# Altium PCB PCB1.PcbDoc
Units mm, origin at the board's own origin, x right, y up, seen from the top; angles counter-clockwise.
Board outline 149.86 x 64.64 mm, 2 copper layers (Top Layer, Bottom Layer); 117 components, 64 nets, 284 pads, 35 vias.
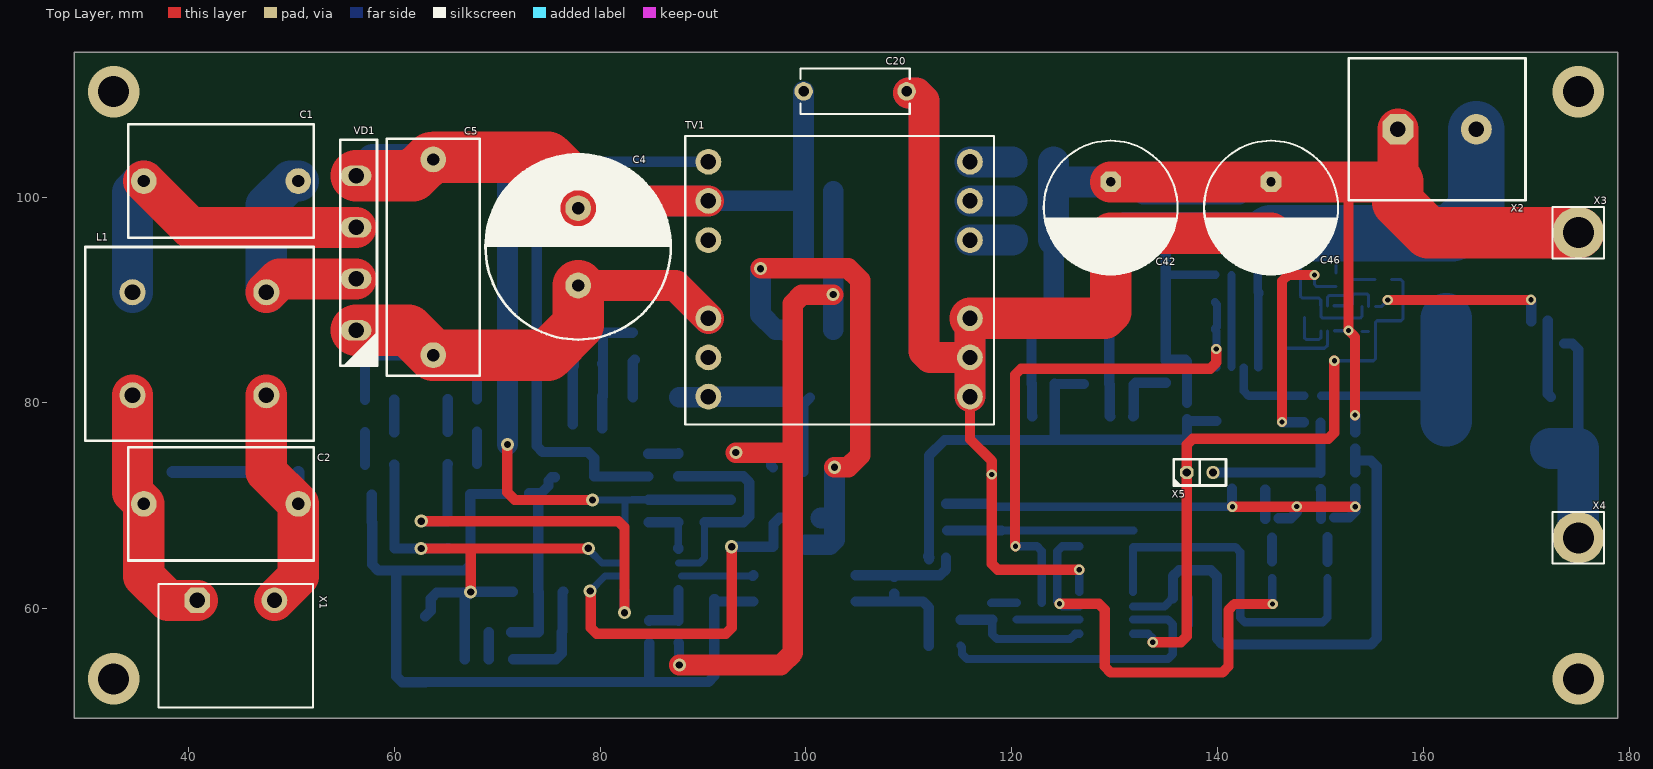
[diagram p0: Top Layer view]
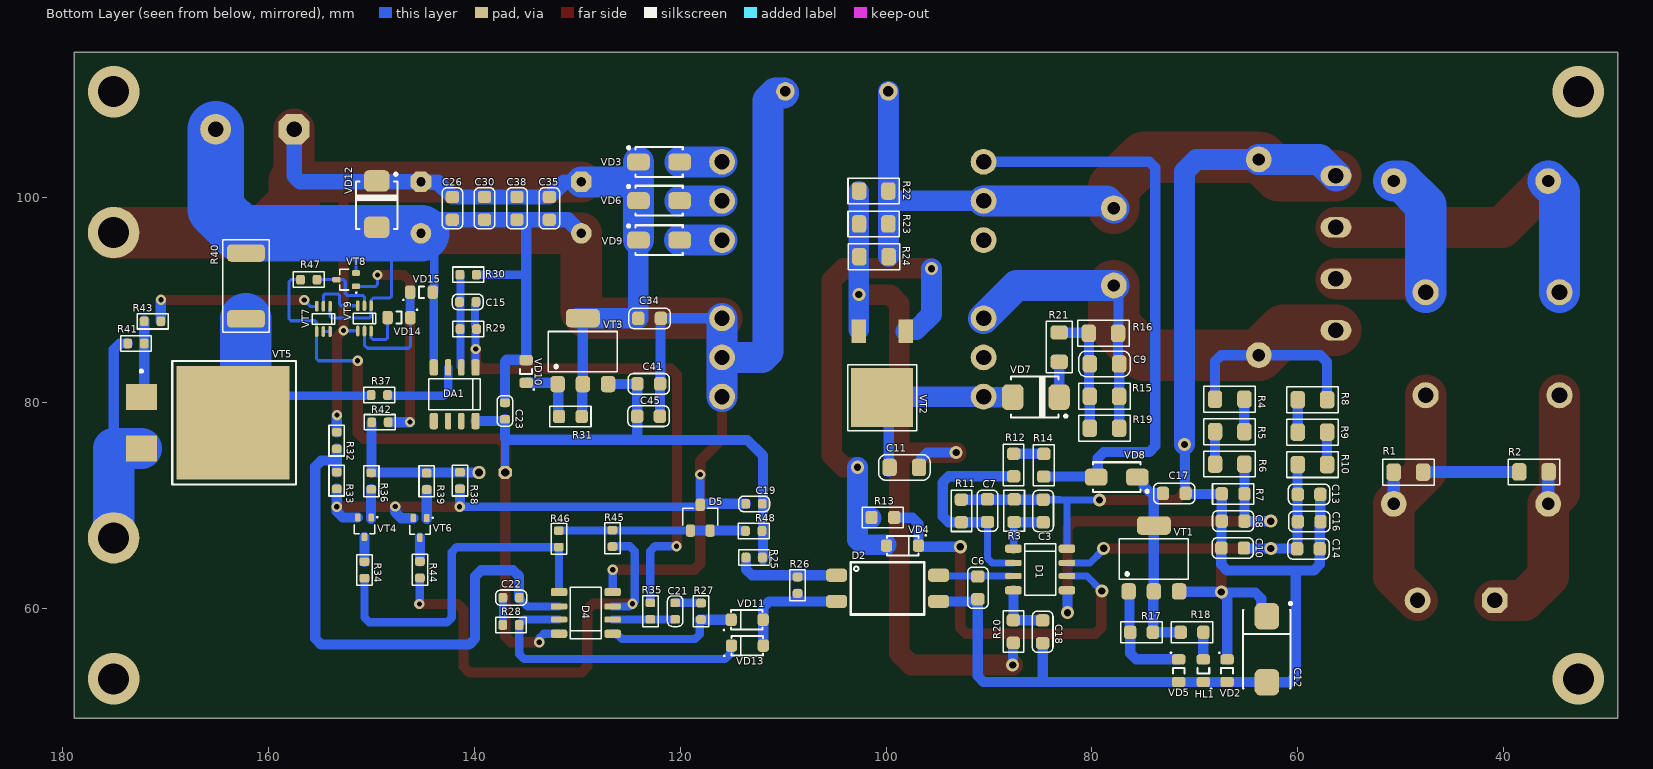
[diagram p1: Bottom Layer view, seen from below]
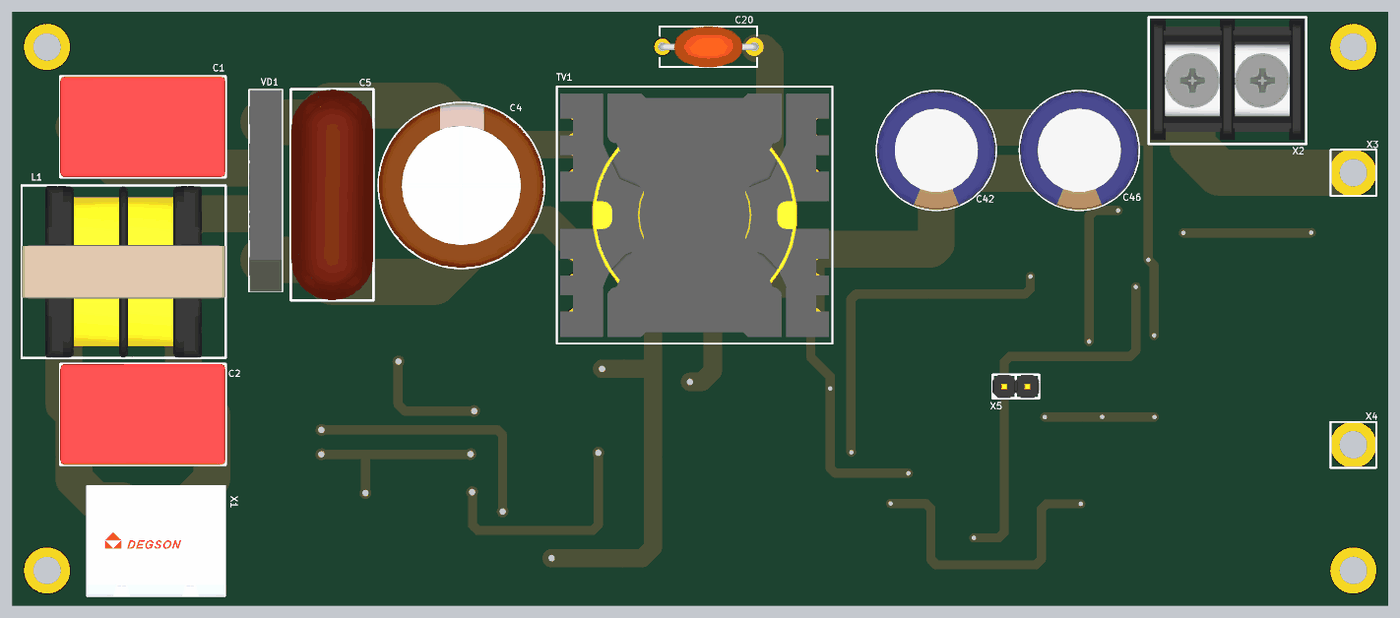
[diagram p2: 3D render of the assembled board from above, using the file's embedded part models]
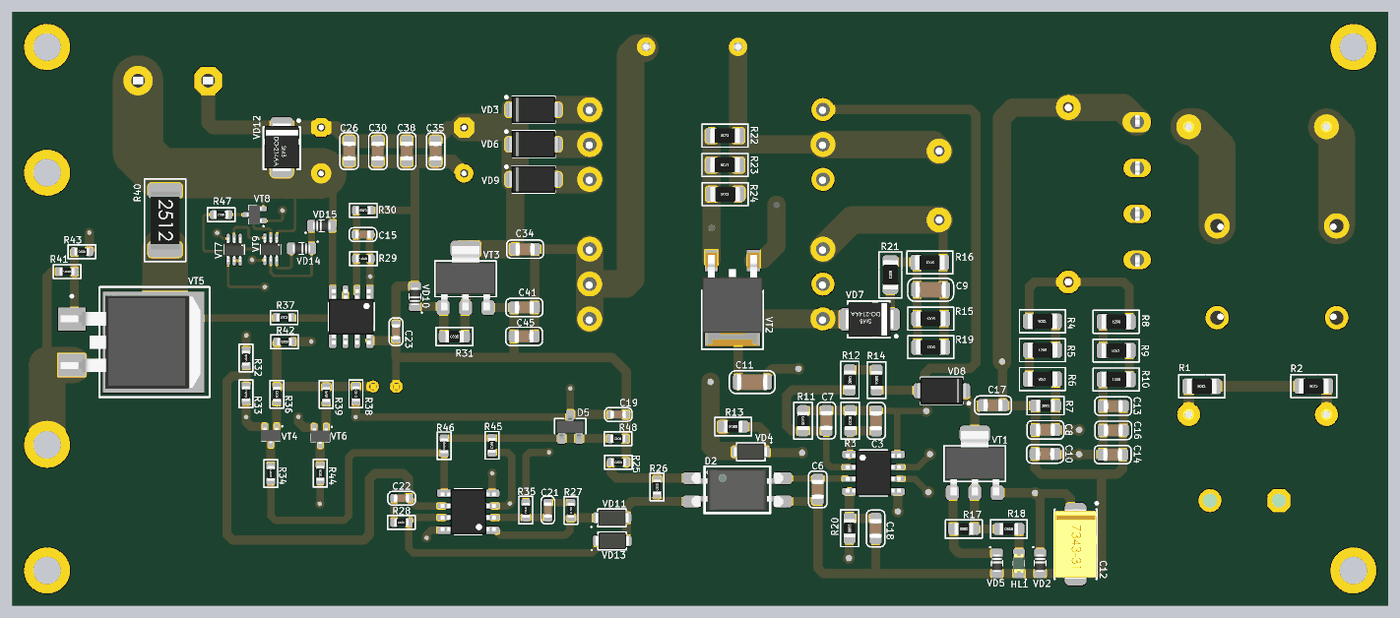
[diagram p3: 3D render of the assembled board from below, using the file's embedded part models]

## Layer stack, top to bottom
Top Solder: solder mask 0.0102, Solder Resist, Dk 3.5
Top Layer: signal copper 0.0356
Dielectric 1: dielectric 0.32, FR-4, Dk 4.8
Bottom Layer: signal copper 0.0356
Bottom Solder: solder mask 0.0102, Solder Resist, Dk 3.5

## Board outline
28.956,49.403 28.956,114.046 178.816,114.046 178.816,49.403

## Design rules (kind name [scope] priority, off if disabled: settings)
Clearance [All] p1: gap=0.254 ignorepadtopadclearanceinfootprint=FALSE except(0: Arc-Hole Track-Hole SMDPad-Hole THPad-Hole Via-Hole Fill-Hole Poly-Hole Region-Hole Text-Hole)
Height [All] p1: minheight=0 maxheight=50.8 prefheight=12.7
PolygonConnect [All] p1: connectstyle=Relief reliefconductorwidth=0.254 reliefentries=4 polygonreliefangle="90 Angle" airgapwidth=0.254
RoomDefinition Sheet2 [InComponentClass('Sheet2')] p1: confinementstyle=ConfineIn formatcopy=TRUE lockcomponents=FALSE outline 0,0 409.956,0 409.956,202.438 0,202.438
RoutingCorners [All] p1: cornerstyle=90-Degree minsetback=2.54 maxsetback=2.54
RoutingVias [All] p1: holewidth=0.711 width=1.27 viastyle="Through Hole" minholewidth=0.711 minwidth=1.27 maxholewidth=0.711 maxwidth=1.27
SolderMaskExpansion [All] p1: expansion=0.102 istentingtop=FALSE
Width [All] p1: maxlimit=6 minlimit=0.254 preferedwidth=1 bottomlayer_prefwidth=0.8 minimp=50.000000 maximp=50.000000 favimp=50.000000
28 further rules are at their usual default settings.

## Classes and differential pairs
net class PRI: GND_PRIM NetC1_1 NetC1_2 NetC2_1 NetC2_2 NetC3_2 NetC4_1 NetC6_2 NetC7_1 NetC8_1 NetC9_1 NetC10_1 NetC11_1 NetC11_2 NetC17_1 NetC18_1 NetD1_6 NetHL1_A NetR1_1 NetR4_1 NetR5_1 NetR8_1 NetR9_1 NetR12_2 NetR13_2 NetR14_2 NetR17_2 NetR21_1
net class N: NetC1_2 NetC2_2
net class L: NetC1_1 NetC2_1
net class HV: NetC4_1 NetC9_1 NetC11_2 NetR4_1 NetR8_1 NetR21_1

## Components (designator, comment, footprint, x,y, rotation, side; value= is the part's Value field where it differs from the comment)
C1 "0.68мк 275В" FILM_P1500L1800W1100H1400PD80 43.198,101.549 r180 top value=0.68мк
C2 "0.68мк 275В" FILM_P1500L1800W1100H1400PD80 43.198,70.206 r180 top value=0.68мк
C3 "1мк" C-0805 84.734,69.512 r270 bottom
C4 "*" "PCAP D18 H36 P7.5" 77.876,95.158 r90 top
C5 "0.47мк 630В" CAP23X9X19mm 63.805,96.647 r270 top value=0.47мк
C6 "2200" c-0805 91.084,62.052 r90 bottom
C7 "68" c-0805 90.145,69.545 r90 bottom
C8 "0.1мк" c-0805 66.294,68.529 r0 bottom
C9 "*" c-1206 78.791,83.795 r180 bottom
C10 "22мк" c-0805 66.337,65.913 r0 bottom
C11 "*" c-1206 98.222,73.736 r0 bottom
C12 "47мк" "Capacitor, SM Tantalum; Body 7.3 x 4.3 mm (LxW typ)" 63.017,56.083 r270 bottom
C13 "0.1мк" C-0805 58.92,71.12 r180 bottom
C14 "1мк" C-0805 58.979,65.837 r180 bottom
C15 "*" c-0603 140.614,89.814 r180 bottom
C16 "1мк" C-0805 58.903,68.478 r180 bottom
C17 "22мк" C-0805 72.009,71.222 r180 bottom
C18 "120" C-0805 84.785,57.785 r270 bottom
C19 "*" C-0603 112.814,70.206 r0 bottom
C20 "0.01мк 1кВ" HVCerCap_d7.5x10 104.775,110.261 r0 top value=0.01мк
C21 "*" c-0603 120.472,59.792 r270 bottom
C22 "*" c-0603 136.405,61.087 r180 bottom
C23 "*" c-0603 137.008,79.223 r270 bottom
C26 "1мк" C-0805 142.113,98.9 r90 bottom
C30 "1мк" C-0805 138.989,98.9 r90 bottom
C34 "0.1мк" C-0805 122.961,88.214 r180 bottom
C35 "1мк" C-0805 132.69,98.9 r90 bottom
C38 "1мк" C-0805 135.839,98.9 r90 bottom
C41 "0.1мк" C-0805 123.038,81.864 r180 bottom
C42 "1000мк" "CAP: D13C5H25" 129.591,98.973 r270 top locked
C45 "1мк" c-0805 123.063,78.715 r180 bottom
C46 "1000мк" "CAP: D13C5H25" 145.161,98.973 r270 top locked
D1 "ICE2QS02G" 8-soic 85.03,63.83 r180 bottom
D2 "PC817" DIP4-SMD 99.847,62.001 r180 bottom
D4 "LM258" 8-SOIC 129.15,59.614 r0 bottom
D5 "TL431DBZ" sot-23-3 118.034,68.859 r90 bottom
DA1 "LM358" 8-SOIC 141.884,80.848 r270 bottom
HL1 "__GENERIC_LED" LED-0805G 69.19,54 r270 bottom
L1 "D2U16V-223" UU16 41.097,85.75 r180 top
R1 "330к" R-1206 49.276,73.279 r0 bottom
R2 "330к" R-1206 37.084,73.304 r0 bottom
R3 "1М" R-0805 87.554,69.537 r90 bottom
R4 "330к" R-1206 66.627,80.366 r0 bottom
R5 "330к" R-1206 66.624,77.216 r180 bottom
R6 "330к" R-1206 66.624,74.066 r0 bottom
R7 "22к" R-0805 66.294,71.171 r180 bottom
R8 "100к" R-1206 58.595,80.315 r180 bottom
R9 "100к" R-1206 58.595,77.165 r0 bottom
R10 "100к" R-1206 58.595,74.016 r180 bottom
R11 "4.7к" R-0805 92.685,69.52 r270 bottom
R12 "33к" R-0805 87.605,73.973 r90 bottom
R13 "22" R-0805 100.305,68.885 r0 bottom
R14 "33к" R-0805 84.684,73.957 r270 bottom
R15 "*" R-1206 78.791,80.645 r180 bottom
R16 "*" R-1206 78.892,86.766 r180 bottom
R17 "8.2к" R-0805 75.184,57.734 r0 bottom
R18 "10к" R-0805 70.282,57.734 r180 bottom
R19 "*" R-1206 78.791,77.546 r180 bottom
R20 "100" R-0805 87.63,57.81 r90 bottom
R21 "*" R-1206 83.185,85.42 r90 bottom
R22 "*" R-1206 101.194,100.584 r0 bottom
R23 "*" R-1206 101.194,97.384 r0 bottom
R24 "*" R-1206 101.168,94.209 r0 bottom
R25 "*" r-0603 112.801,64.999 r180 bottom
R26 "*" r-0603 108.585,62.306 r90 bottom
R27 "*" r-0603 117.958,59.766 r270 bottom
R28 "*" r-0603 136.418,58.445 r180 bottom
R29 "*" r-0603 140.564,87.173 r0 bottom
R30 "*" r-0603 140.576,92.456 r180 bottom
R31 "10к" R-0805 130.65,78.689 r180 bottom
R32 "*" r-0603 153.34,76.352 r270 bottom
R33 "*" r-0603 153.34,72.466 r270 bottom
R34 "*" r-0603 150.647,63.779 r270 bottom
R35 "*" R-0603 122.885,59.792 r270 bottom
R36 "*" r-0603 149.987,72.415 r90 bottom
R37 "*" r-0603 149.2,80.772 r180 bottom
R38 "*" r-0603 141.376,72.466 r270 bottom
R39 "*" r-0603 144.602,72.39 r270 bottom
R40 "*" r-2512 162.154,91.363 r270 bottom
R41 "*" r-0603 172.834,85.776 r0 bottom
R42 "*" r-0603 149.149,78.13 r0 bottom
R43 "*" r-0603 171.221,87.935 r0 bottom
R44 "*" r-0603 145.263,63.805 r270 bottom
R45 "*" r-0603 126.568,66.853 r270 bottom
R46 "*" r-0603 131.775,66.802 r270 bottom
R47 "*" r-0603 156.058,91.973 r0 bottom
R48 "*" r-0603 112.852,67.564 r0 bottom
TV1 "PQ3535" PQ2620 103.276,91.919 r0 top locked
VD1 "GBU406" GBU406 56.312,94.553 r270 top
VD2 "15В" MICROMELF(SOD80) 66.878,54 r270 bottom
VD3 "*" DO-214AC 122.04,103.403 r180 bottom
VD4 "SL1G" SOD-123FL 98.4,66.142 r0 bottom
VD5 "15В" MICROMELF(SOD80) 71.577,54 r270 bottom
VD6 "*" DO-214AC 122.04,99.644 r180 bottom
VD7 "MURS160" DO-214AA 85.446,80.569 r0 bottom
VD8 "US1MG" DO-214AC 77.597,72.796 r0 bottom
VD9 "*" DO-214AC 122.04,95.809 r180 bottom
VD10 "15В" MICROMELF(SOD80) 134.95,83.058 r90 bottom
VD11 "BAS16H,115" SOD-123FL 113.487,58.953 r180 bottom
VD12 "P6SMB30A" DO-214AA 149.454,99.314 r270 bottom
VD13 "BAS16H,115" SOD-123FL 113.462,56.439 r180 bottom
VD14 "*" MICROMELF(SOD80) 147.295,88.29 r0 bottom
VD15 "*" MICROMELF(SOD80) 145.11,90.754 r180 bottom
VT1 "BCP54" SOT-223-4 73.99,64.897 r90 bottom
VT2 "IPD60R180P7" TO-252 100.381,82.779 r270 bottom
VT3 "BCP54" SOT-223-4 129.438,85.04 r90 bottom
VT4 "BC847BW" SOT-323-3 150.647,67.93 r270 bottom
VT5 "IRLR2905" TO-263-3 164.314,78.09 r270 bottom
VT6 "BC847BW" SOT-323-3 145.263,67.869 r270 bottom
VT7 "PUMD2" SOT-323-6 154.635,88.163 r270 bottom
VT8 "BC847BW" SOT-323-3 152.425,91.973 r0 bottom
VT9 "PUMD2" SOT-323-6 150.647,88.214 r270 bottom
X1 "2EDGRC-7.5-02P" 2EDGRC-7.5-02P 44.637,60.833 r0 top
X2 "KF25C-7.62-02P-13" KF25C-7.62-02P-13 161.29,106.578 r90 top
X3 "Клема +" PAD3MM 175.006,96.545 r0 top net-tie
X4 "Клема -" PAD3MM 175.006,66.904 r0 top net-tie
X5 "PLS-2" PLS-2 136.982,73.254 r0 top

## Footprints (in the part's own frame and the unit in brackets; to place one, negate y for a bottom-side part, rotate by r counter-clockwise, add the part's x,y. Pads: shape width x height; smd on the part's side, far side on the other; paste and mask are expansions set on the pad)
2EDGRC-7.5-02P [mm]
  oct 2.5x2.5 hole 1.5: 1(-3.75,0)
  round 2.5 hole 1.5: 2(3.75,0)
  silkscreen extent -7.5,-10.4 7.5,1.6, body extent -7.5,-10.4 7.5,1.6
8-soic [mm] "SOIC, 8-Leads, Body 4,90x3,90mm, Pitch 1,27mm, IPC Medium Density"
  rrect50% 1.6x0.8 smd: 1(-2.6,2.025) 4(-2.6,-2.025) 5(2.6,-2.025) 8(2.6,2.025)
  rrect50% 1.6x0.6 smd: 2(-2.6,0.635) 3(-2.6,-0.635) 6(2.6,-0.635) 7(2.6,0.635)
  silkscreen extent -1.5,-2.5 1.5,2.5, body extent -3,-2.45 3,2.45, height 1.75
8-SOIC [mm] "SOIC, 8-Leads, Body 4,90x3,90mm, Pitch 1,27mm, IPC Medium Density"
  rrect50% 1.6x0.8 smd: 1(-2.6,2.025) 4(-2.6,-2.025) 5(2.6,-2.025) 8(2.6,2.025)
  rrect50% 1.6x0.6 smd: 2(-2.6,0.635) 3(-2.6,-0.635) 6(2.6,-0.635) 7(2.6,0.635)
  silkscreen extent -1.5,-2.5 1.5,2.5, body extent -3,-2.45 3,2.45, height 1.75
c-0603 [mm] "Chip Capacitor, 2-Leads, Body 1,60x0,83mm, IPC Medium Density"
  rrect50% 0.85x0.95 smd: 1(-0.8,0) 2(0.8,0)
  silkscreen extent -1.5,-0.75 1.5,0.75, body extent -0.85,-0.45 0.85,0.45, height 0.9
C-0603 [mm] "Chip Capacitor, 2-Leads, Body 1,60x0,83mm, IPC Medium Density"
  rrect50% 0.85x0.95 smd: 1(-0.8,0) 2(0.8,0)
  silkscreen extent -1.5,-0.75 1.5,0.75, body extent -0.85,-0.45 0.85,0.45, height 0.9
C-0805 [mm] "Chip Capasitor, 2-Leads, Body 2,00x1,25mm, IPC Medium Density"
  rrect50% 1.2x1.3 smd: 1(-1.1,0) 2(1.1,0)
  silkscreen extent -2,-1 2,1, body extent -1.05,-0.67 1.05,0.68, height 0.95
c-0805 [mm] "Chip Capasitor, 2-Leads, Body 2,00x1,25mm, IPC Medium Density"
  rrect50% 1.2x1.3 smd: 1(-1.1,0) 2(1.1,0)
  silkscreen extent -2,-1 2,1, body extent -1.05,-0.67 1.05,0.68, height 0.95
c-1206 [mm] "Chip Capasitor, 2-Leads, Body 3,20x1,60mm, IPC Medium Density"
  rrect50% 1.4x1.7 smd: 1(-1.425,0) 2(1.425,0)
  silkscreen extent -2.5,-1.25 2.5,1.25, body extent -1.67,-0.87 1.68,0.88, height 1.75
CAP23X9X19mm [mm]
  round 2.5 hole 1.2: 1(-7,0) 2(12,0)
  silkscreen extent -9,-4.5 14,4.5, body extent -9,-4.5 14,4.5, height 19
"CAP: D13C5H25" [mm]
  oct 2x2 hole 0.9: 1(-2.5,0)
  round 2 hole 0.9: 2(2.5,0)
  silkscreen extent -6.5,-6.5 6.53,6.5, body extent -6.5,-6.5 6.5,6.5, height 27.05
"Capacitor, SM Tantalum; Body 7.3 x 4.3 mm (LxW typ)" [mm] "Capacitor, SM Tantalum; Body 7.3 x 4.3 mm (LxW typ)"
  rrect50% 2.6x2.4 smd: 1(-3.2,0) 2(3.2,0)
  silkscreen extent -4.57,-2.3 3.8,2.42, body extent -3.8,-2.3 3.8,2.3, height 3.1
DIP4-SMD [mil]
  rrect50% 80x50 smd: 1(-195,50) 2(-195,-50) 3(195,-50) 4(195,50)
  silkscreen extent -141,-100 141,100, body extent -197,-90 197,90, height 152
DO-214AA [mm] "SMB, Molded Diode, 2-Leads, Body 4,33x3,65mm, IPC Medium Density"
  rrect50% 2.1x2.5 smd: 1(2.25,0) 2(-2.25,0)
  silkscreen extent -3.02,-2 2.4,2, body extent -2.65,-1.85 2.65,1.85, height 2.2
DO-214AC [mm] "SMA 2-Leads, Body 2,55x5,00mm, IPC Medium Density"
  rrect50% 2.2x1.65 smd: 1(2,0) 2(-2,0)
  silkscreen extent -3.08,-1.45 2.3,1.5, body extent -2.8,-1.47 2.8,1.48, height 2.7
FILM_P1500L1800W1100H1400PD80 [mm] "Film Capacitor"
  round 2.5 hole 1.2: 1(-7.5,0) 2(7.5,0)
  silkscreen extent -9,-5.5 9,5.5, body extent -9,-5.5 9,5.5, height 14.05
GBU406 [mm]
  oval 2x3 hole 1.5: +(7.5,0) -(-7.5,0) AC1(-2.5,0) AC2(2.5,0)
  silkscreen extent -11,-1.52 10.92,2.03, body extent -11,-1.52 11,2.03, height 25.25
HVCerCap_d7.5x10 [mm]
  round 1.8 hole 1: 1(-5,0) 2(5,0)
  silkscreen extent -5.3,-2.2 5.3,2.2, body extent -5.35,-2.25 5.35,2.25, height 10.75
KF25C-7.62-02P-13 [mm]
  oct 3x3 hole 1.5: 1(0,3.81)
  round 3 hole 1.5: 2(0,-3.81)
  silkscreen extent -6.9,-8.58 6.9,8.58, body extent -6.48,-8.37 6.75,8.37, height 14.8
LED-0805G [mm] "Chip Led, 2-Leads, Body 2,00x1,25mm, IPC Medium Density"
  rrect50% 1x1.3 smd: 1(-1.1,0) 2(1.1,0)
  silkscreen extent -0.25,-0.57 1.8,0.8, body extent -1.01,-0.62 1.01,0.63, height 1.1
MICROMELF(SOD80) [mm] "MELF Diode, 2-Leads, Body 1,90x1,15mm, IPC Medium Density"
  rrect50% 1x1.3 smd: 1(1.1,0) 2(-1.1,0)
  silkscreen extent -1.8,-0.8 0.25,0.58, body extent -0.95,-0.57 0.95,0.57, height 1.15
PAD3MM [mm] "Контак на плате, диаметр 3 мм"
  round 5 hole 3: 1(0,0)
  silkscreen extent -2.5,-2.5 2.5,2.5
"PCAP D18 H36 P7.5" [mm]
  round 2.5 hole 1.2 unplated paste-25.4: 1(-3.75,0) 2(3.75,0)
  silkscreen extent -9,-9 9,9, body extent -9,-9 9,9, height 37
PLS-2 [mm]
  oct 1.3x1.3 hole 0.8: 1(0,0)
  round 1.3 hole 0.8: 2(2.54,0)
  silkscreen extent -1.27,-1.27 3.81,1.27, body extent -1.27,-1.27 3.81,1.27, height 8.65
PQ2620 [mm]
  round 2.5 hole 1.5 paste-25.4: 1(-12.75,11.5) 2(-12.75,7.7) 3(-12.75,3.9) 4(-12.75,-3.7) 5(-12.75,-7.5) 6(-12.75,-11.3) 7(12.65,-11.3) 8(12.65,-7.5) 9(12.65,-3.7) 10(12.65,3.9) 11(12.65,7.7) 12(12.65,11.5)
  silkscreen extent -15,-14 15,14, body extent -14.65,-13.25 14.65,13.25, height 25.43
r-0603 [mm] "Chip Capacitor, 2-Leads, Body 1,60x0,83mm, IPC Medium Density"
  rrect50% 0.85x0.95 smd: 1(-0.8,0) 2(0.8,0)
  silkscreen extent -1.5,-0.75 1.5,0.75, body extent -0.8,-0.4 0.8,0.4, height 0.45
R-0603 [mm] "Chip Capacitor, 2-Leads, Body 1,60x0,83mm, IPC Medium Density"
  rrect50% 0.85x0.95 smd: 1(-0.8,0) 2(0.8,0)
  silkscreen extent -1.5,-0.75 1.5,0.75, body extent -0.8,-0.4 0.8,0.4, height 0.45
R-0805 [mm] "Chip Resistor, 2-Leads, Body 2,00x1,25mm, IPC Medium Density"
  rrect50% 1.2x1.3 smd: 1(-1.1,0) 2(1.1,0)
  silkscreen extent -2,-1 2,1, body extent -1,-0.62 1,0.63, height 0.6
R-1206 [mm] "Chip Resistor, 2-Leads, Body 3,20x1,60mm, IPC Medium Density"
  rrect50% 1.4x1.7 smd: 1(-1.425,0) 2(1.425,0)
  silkscreen extent -2.5,-1.25 2.5,1.25, body extent -1.6,-0.8 1.6,0.8, height 0.6
r-2512 [mm]
  rrect50% 1.7x3.7 smd: 1(-3.2,0) 2(3.2,0)
  silkscreen extent -4.5,-2.25 4.5,2.25, body extent -3.16,-1.6 3.16,1.6, height 0.62
SOD-123FL [mm] "SODFL, 2-Leads, Body 1,70x3,60mm, IPC Medium Density"
  rrect50% 1.1x1.2 smd: 1(1.55,0) 2(-1.55,0)
  silkscreen extent -2.3,-1.05 1.5,0.95, body extent -1.8,-0.9 1.8,0.9, height 1.3
sot-23-3 [mm] "SOT23, 3-Leads, Body 2,90x2,30mm, Pitch 0,95mm, IPC Medium Density"
  rrect50% 1.2x0.9 smd: 1(-1.25,0.95) 2(-1.25,-0.95) 3(1.25,0)
  silkscreen extent -0.75,-1.7 0.9,1.7, body extent -1.27,-1.46 1.21,1.46, height 1
SOT-223-4 [mm] "SOT223, 4-Leads, Body 6,50x7,00mm (avg), Pitch 2,30mm, IPC Medium Density"
  rrect50% 1.6x1.4 smd: 1(-3.2,2.45) 2(-3.2,0) 3(-3.2,-2.45)
  rrect50% 1.8x3.3 smd: 2(3.2,0)
  silkscreen extent -2,-3.35 1.9,3.35, body extent -3.5,-3.25 3.5,3.25, height 1.64
SOT-323-3 [mm] "SOT-323/SC-70; 3 Leads; Body 2.2 x 2.2 mm, inc. leads (LxW max)"
  rrect50% 0.8x0.55 smd: 1(-0.95,0.65) 2(-0.95,-0.65) 3(0.95,0)
  silkscreen extent -1.04,-1 0.61,1.3, body extent -1.04,-1.05 1.06,1.05, height 0.9
SOT-323-6 [mm] "SOTFL, 6-Leads, Body 2,00x2,10mm, Pitch 0,65mm, IPC Medium Density"
  oval 1.05x0.35 smd: 1(-1.225,0.65) 2(-1.225,0) 3(-1.225,-0.65) 4(1.225,-0.65) 5(1.225,0) 6(1.225,0.65)
  silkscreen extent -0.5,-1.1 0.5,1.1, body extent -1.3,-1.1 1.3,1.1, height 1.1
TO-252 [mm] "D-PAK, 3-Pads, Body 6,20x6,71mm (max), IPC Medium Density"
  rect 2.3x1.4 smd: 1(-4.191,2.286) 3(-4.191,-2.286)
  rect 5.7x6 smd: 4(2.25,0)
  silkscreen extent -0.95,-3.35 5.46,3.35, body extent -5.06,-3.29 5.08,3.29, height 2.35
TO-263-3 [mm]
  rect 2.5x3 smd: 1(-2.5,-8) 3(2.5,-8)
  rect 11x11 smd: 2(0,0.9)
  silkscreen extent -6,-8.13 6,7, body extent -5.08,-9.25 5.08,6.01, height 4.98
UU16 [mm]
  round 2.54 hole 1.524: 1(-6.5,5) 2(-6.5,-5) 3(6.5,5) 4(6.5,-5)
  silkscreen extent -11.1,-9.4 11.1,9.4, body extent -11.12,-9.35 11.12,9.35, height 25.6
